# Altium PCB PCB1.PcbDoc
Units mil, origin at the board's own origin, x right, y up, seen from the top; angles counter-clockwise.
Board outline 3390 x 3785 mil, 4 copper layers (Top Layer, Internal Plane 1, Internal Plane 2, Bottom Layer); 45 components, 41 nets, 185 pads, 14 vias.
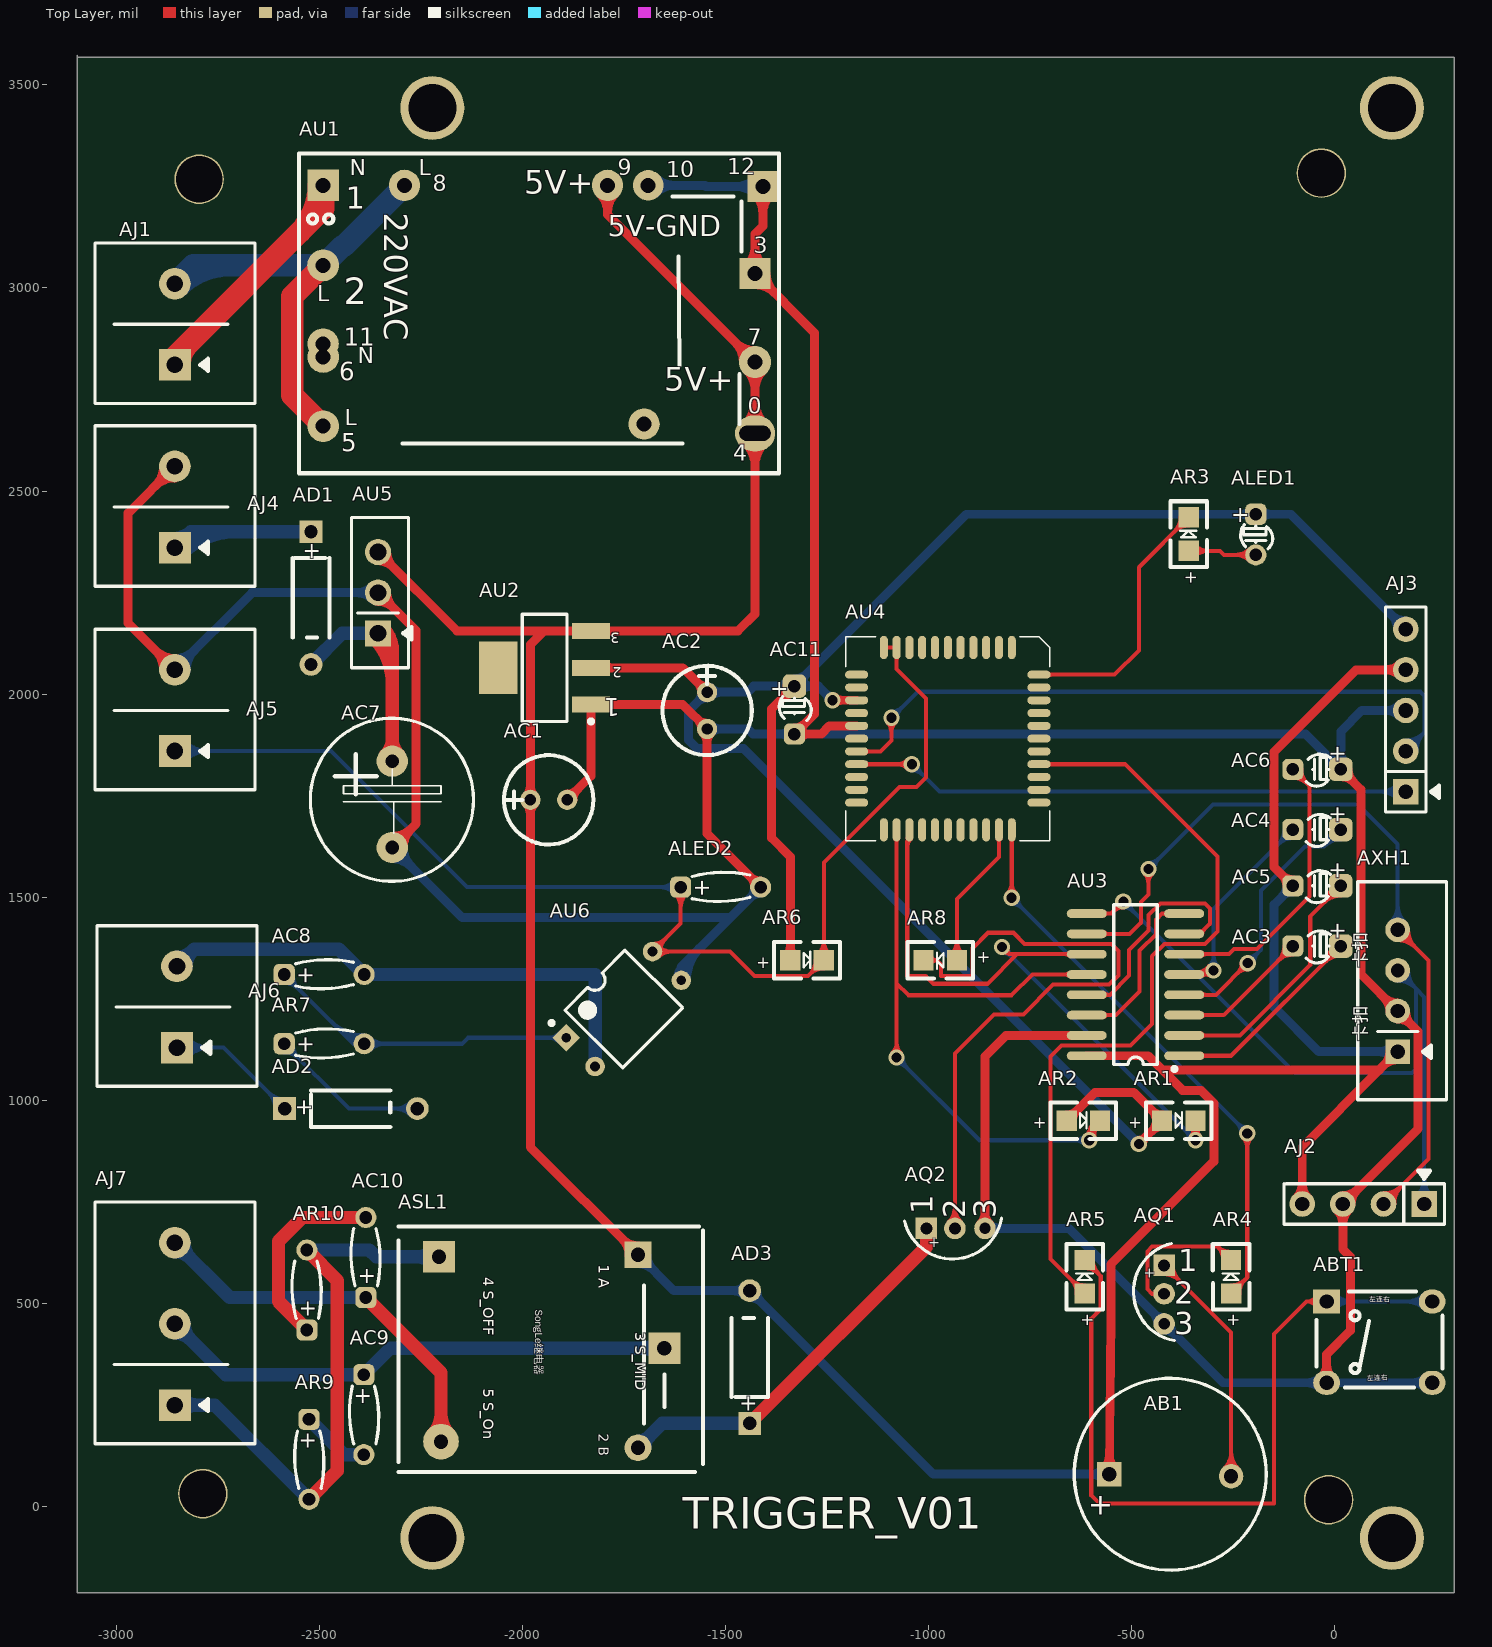
[diagram p0: Top Layer view]
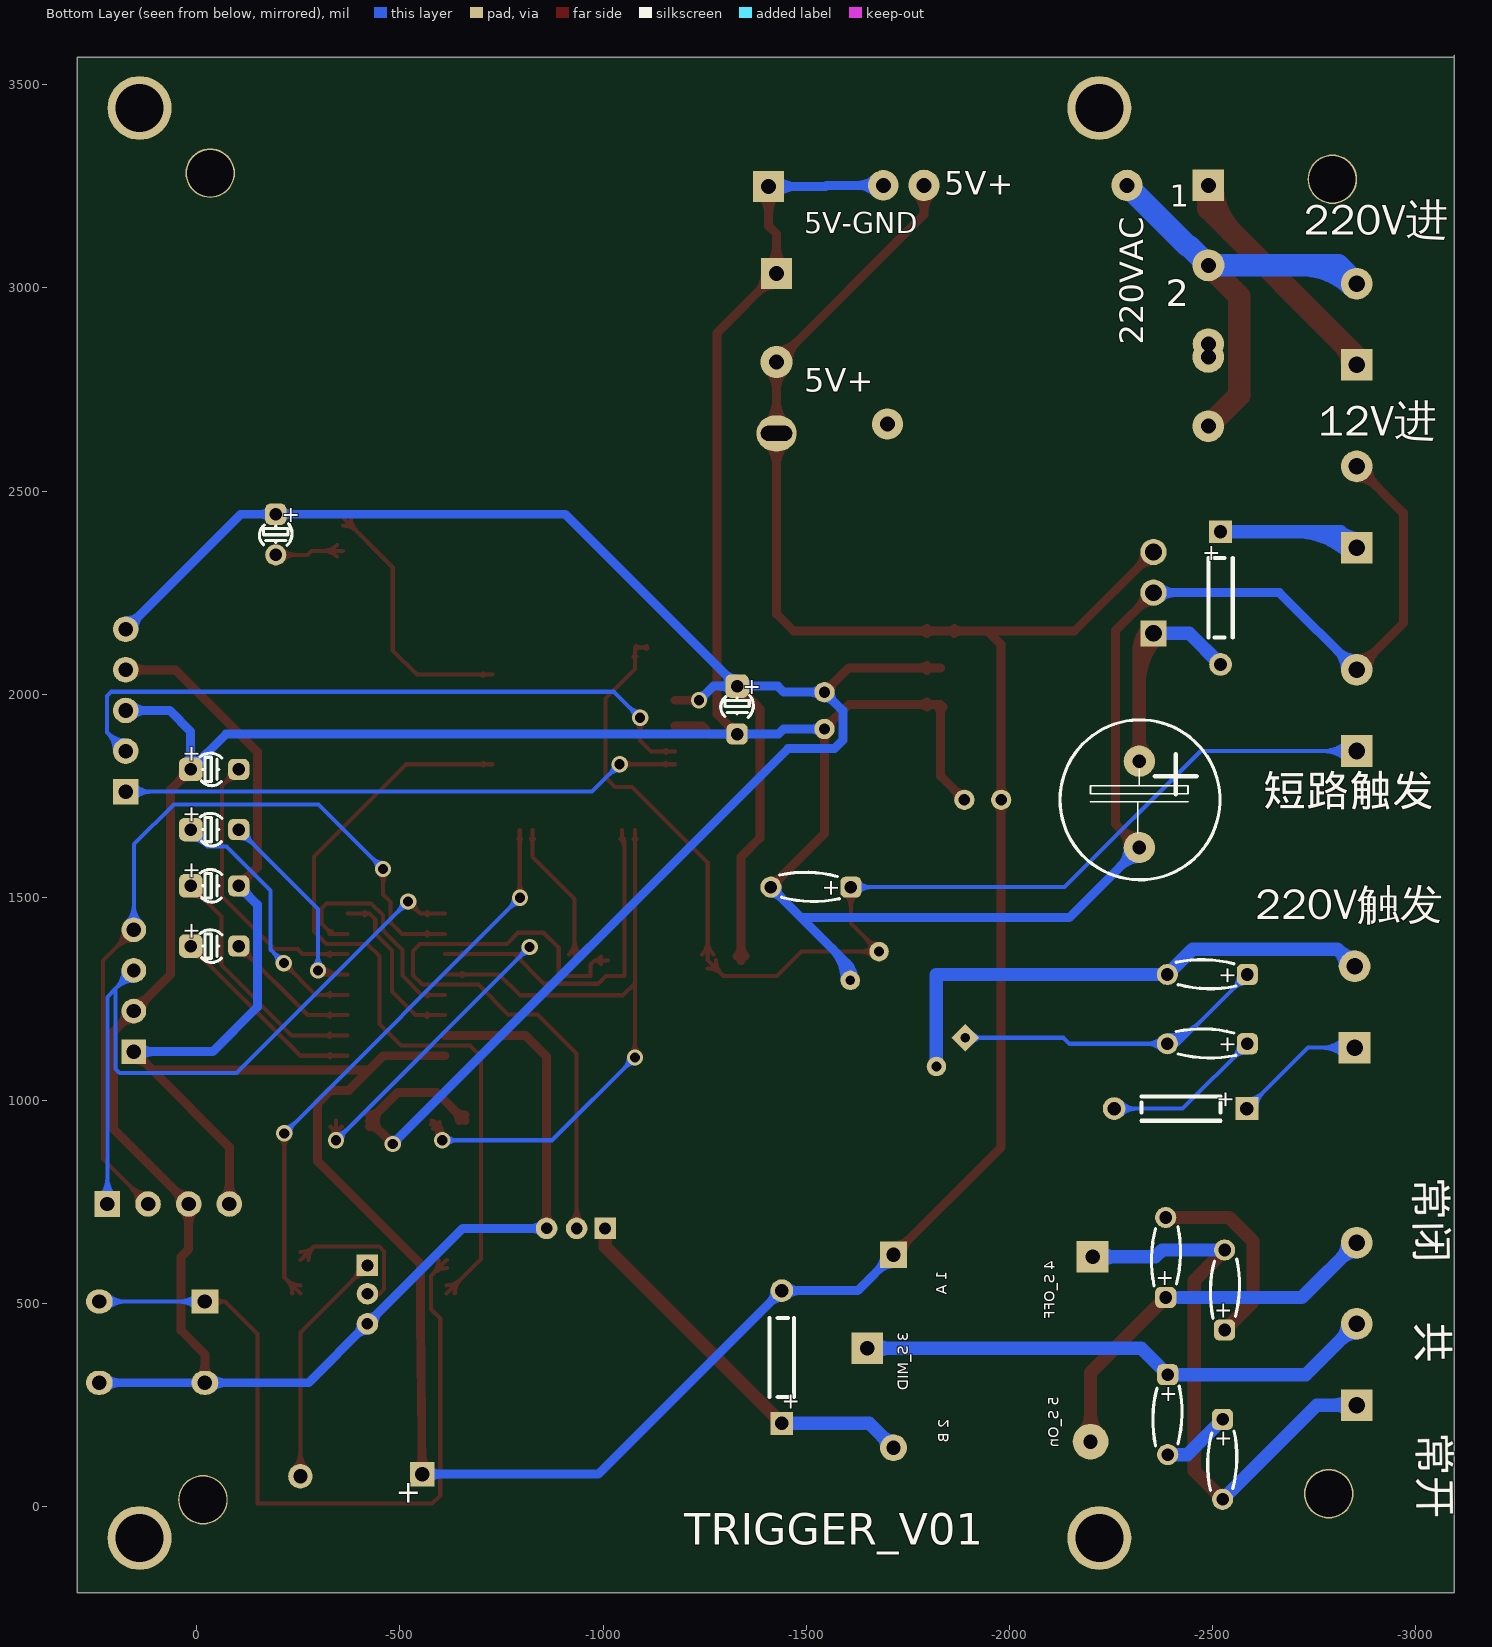
[diagram p1: Bottom Layer view, seen from below]
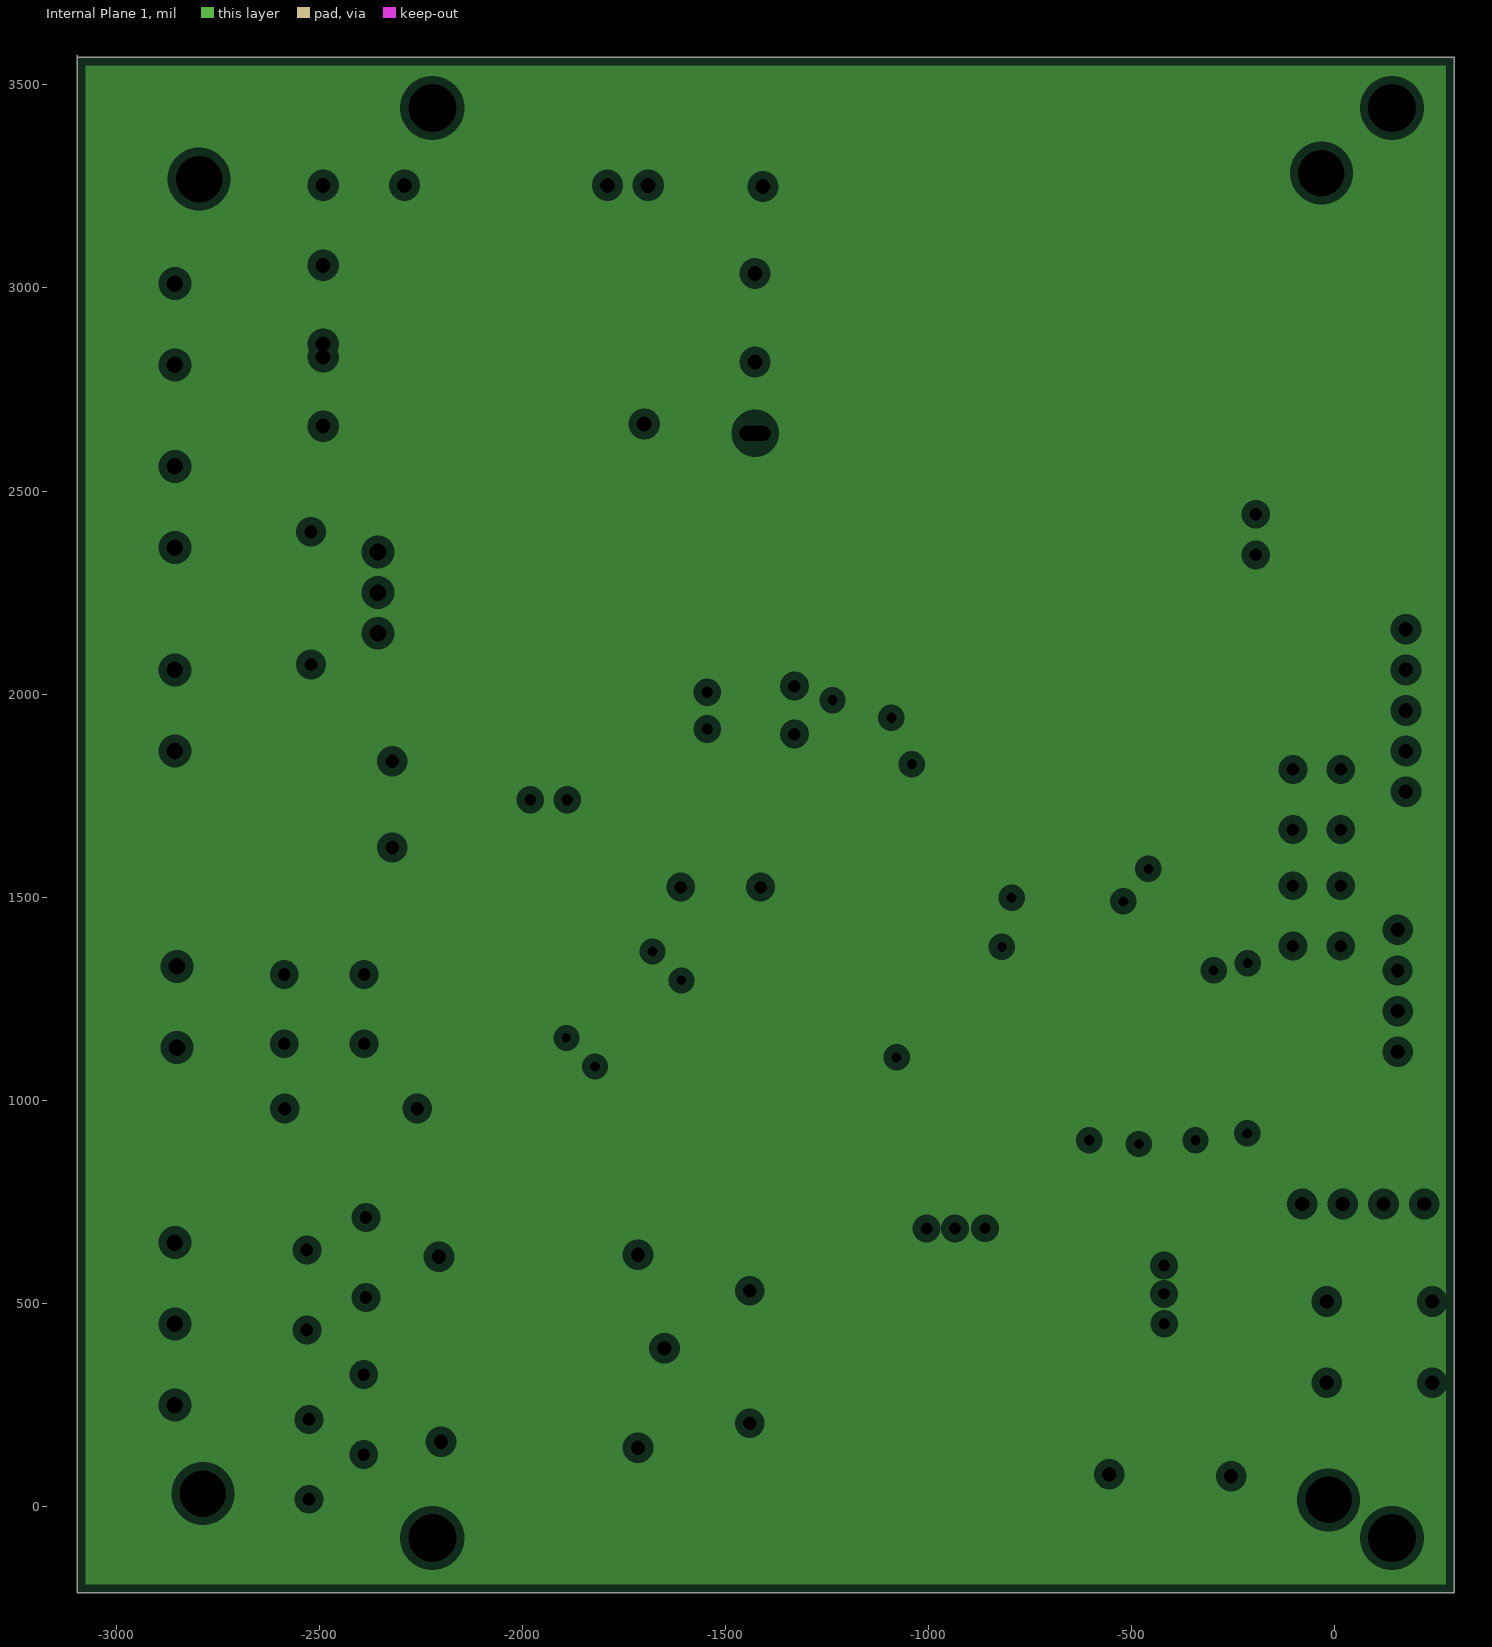
[diagram p2: Internal Plane 1, clearances drawn from the general rule]
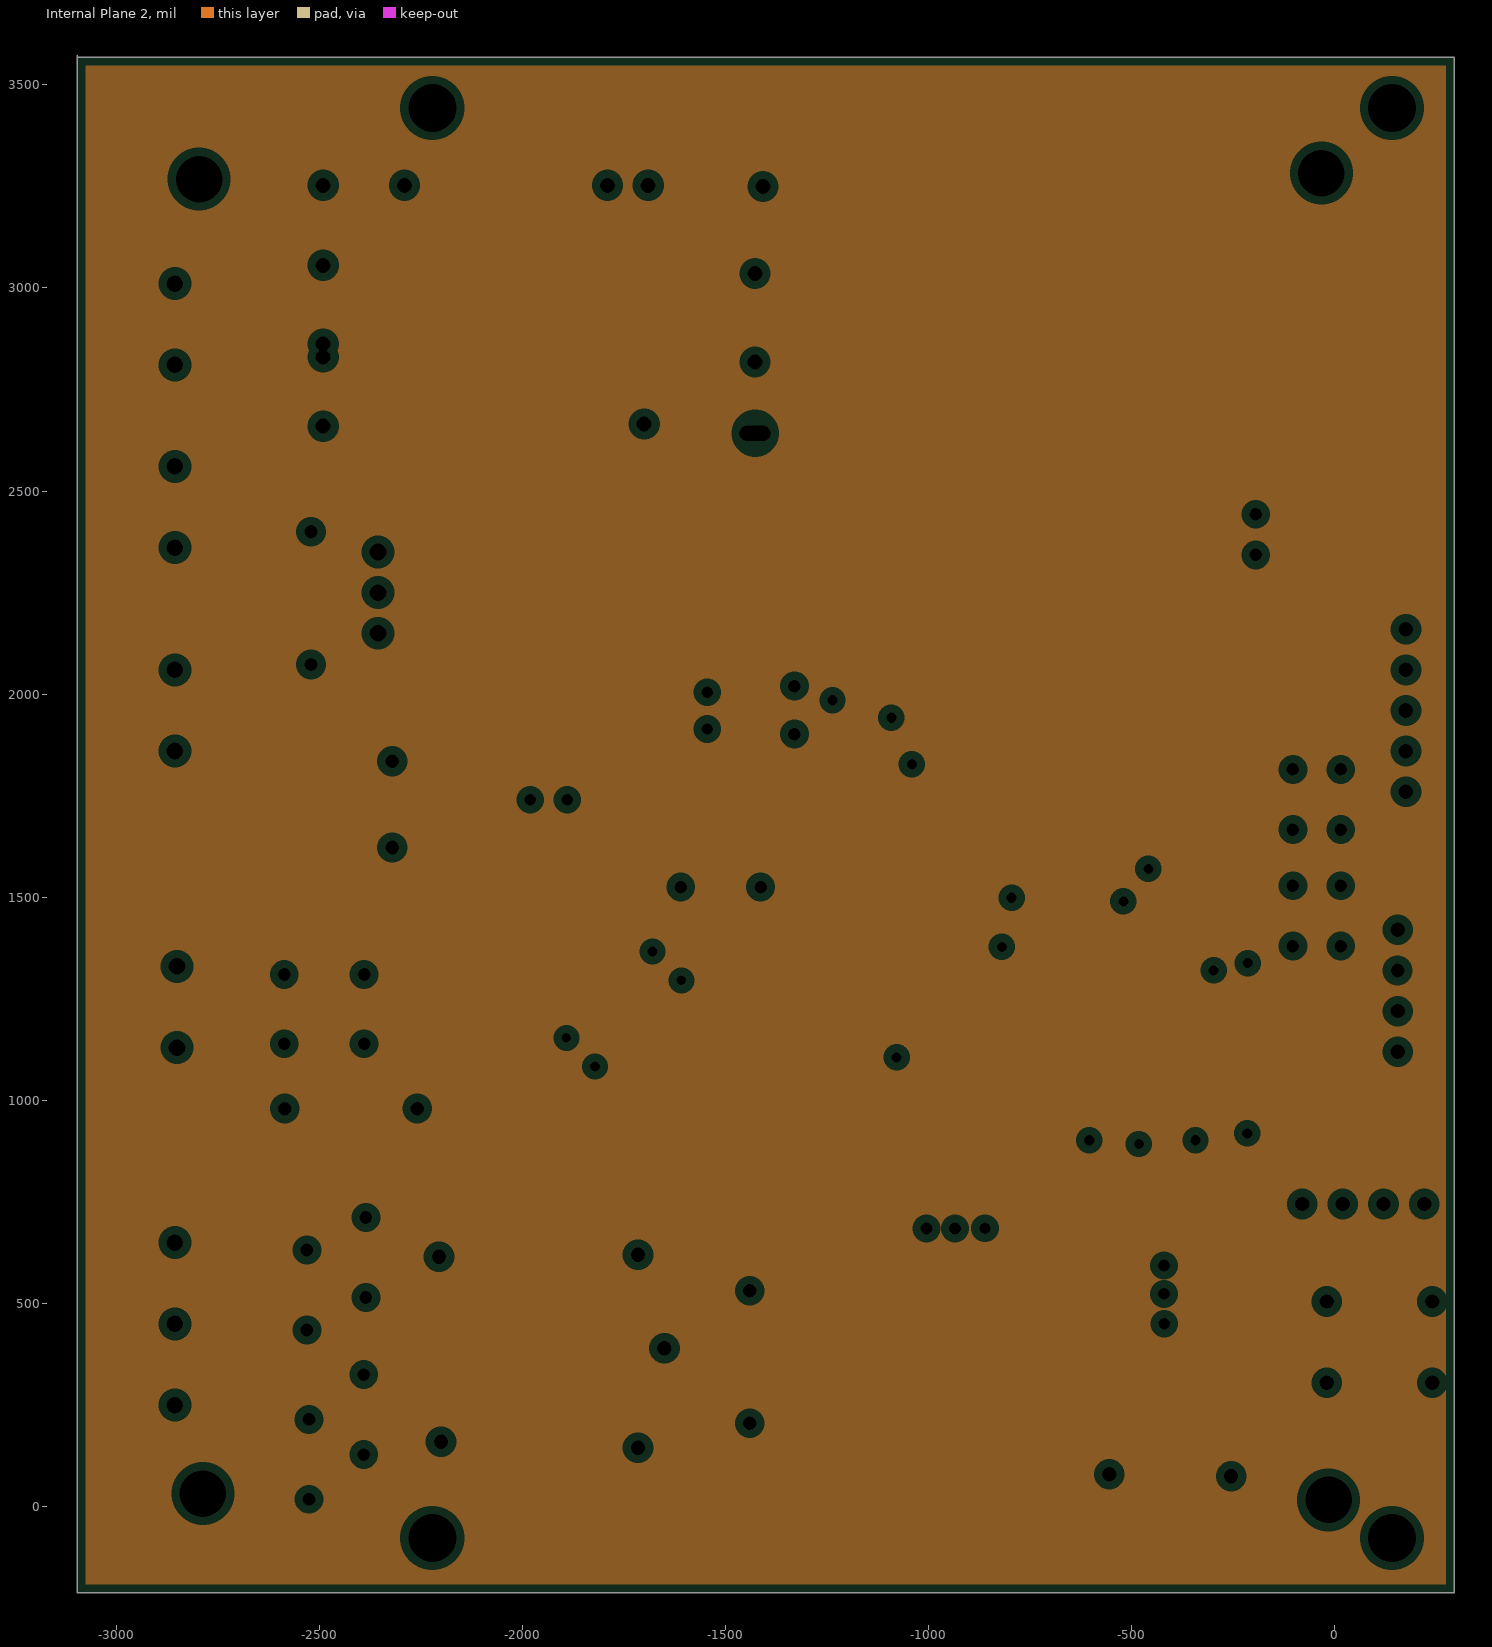
[diagram p3: Internal Plane 2, clearances drawn from the general rule]

## Layer stack, top to bottom
Top Layer: signal copper 1.4
Dielectric: dielectric 12.6, FR-4, Dk 4.8
Internal Plane 1: plane copper 1.4
Dielectric: dielectric 12.6, FR-4, Dk 4.8
Internal Plane 2: plane copper 1.4
Dielectric: dielectric 12.6, FR-4, Dk 4.8
Bottom Layer: signal copper 1.4

## Board outline
-3095.55,3567.99 294.45,3567.99 294.45,-212.01 -3095.55,-212.01 -3095.55,3572.99

## Design rules (kind name [scope] priority, off if disabled: settings)
Clearance [All] p1: gap=9
MinimumSolderMaskSliver [All] p1: minsoldermaskwidth=0
PlaneClearance [All] p1: clearance=20
PlaneConnect [All] p1: planeconnectstyle=Relief reliefexpansion=20 reliefentries=4 reliefconductorwidth=10 reliefairgap=10
PolygonConnect [All] p1: connectstyle=Relief reliefconductorwidth=10 reliefentries=4 polygonreliefangle="90 Angle"
RoutingVias [All] p1: holewidth=25 width=40 viastyle="Through Hole" minholewidth=28 minwidth=50 maxholewidth=28 maxwidth=50
SilkToSilkClearance [All] p1: silktosilkclearance=0
SilkscreenOverComponentPads [All] p1: minsilkscreentomaskgap=0
SolderMaskExpansion [All] p1: expansion=4
Width "Schematic Width Constraint_13" [InNet('NetAC10_2')] p1: maxlimit=55 minlimit=16 preferedwidth=33 minimp=50.000000 maximp=50.000000 favimp=50.000000
Width "Schematic Width Constraint_12" [InNet('NetAC9_2')] p2: maxlimit=55 minlimit=16 preferedwidth=33 minimp=50.000000 maximp=50.000000 favimp=50.000000
Width "Schematic Width Constraint_11" [InNet('NetAD3_A')] p3: maxlimit=55 minlimit=16 preferedwidth=33 minimp=50.000000 maximp=50.000000 favimp=50.000000
Width "Schematic Width Constraint_8" [InNet('NetAC10_1')] p4: maxlimit=55 minlimit=16 preferedwidth=33 minimp=50.000000 maximp=50.000000 favimp=50.000000
Width "Schematic Width Constraint_7" [InNet('NetAJ7_1')] p5: maxlimit=55 minlimit=16 preferedwidth=33 minimp=50.000000 maximp=50.000000 favimp=50.000000
Width "Schematic Width Constraint_6" [InNet('NetAC8_2')] p6: maxlimit=55 minlimit=16 preferedwidth=33 minimp=50.000000 maximp=50.000000 favimp=50.000000
Width "Schematic Width Constraint_5" [InNet('NetAC9_1')] p7: maxlimit=55 minlimit=16 preferedwidth=33 minimp=50.000000 maximp=50.000000 favimp=50.000000
Width "Schematic Width Constraint_4" [InNet('NetAC7_1')] p8: maxlimit=55 minlimit=16 preferedwidth=33 minimp=50.000000 maximp=50.000000 favimp=50.000000
Width "Schematic Width Constraint_3" [InNet('NetAD1_A')] p9: maxlimit=55 minlimit=16 preferedwidth=33 minimp=50.000000 maximp=50.000000 favimp=50.000000
Width "Schematic Width Constraint_10" [InNet('NetAJ1_1')] p10: maxlimit=77 minlimit=22 preferedwidth=55 minimp=50.000000 maximp=50.000000 favimp=50.000000
Width "Schematic Width Constraint_9" [InNet('NetAJ1_2')] p11: maxlimit=77 minlimit=22 preferedwidth=55 minimp=50.000000 maximp=50.000000 favimp=50.000000
Width "Schematic Width Constraint_2" [InNet('NetABT1_2')] p12: maxlimit=22 minlimit=16 preferedwidth=22 minimp=50.000000 maximp=50.000000 favimp=50.000000
Width "Schematic Width Constraint_1" [InNet('NetAB1_1')] p13: maxlimit=22 minlimit=16 preferedwidth=22 minimp=50.000000 maximp=50.000000 favimp=50.000000
Width "Schematic Width Constraint" [InNet('NetAC2_1')] p14: maxlimit=22 minlimit=16 preferedwidth=22 minimp=50.000000 maximp=50.000000 favimp=50.000000
Width [All] p15: maxlimit=10 minlimit=8 preferedwidth=10 minimp=50.000000 maximp=50.000000 favimp=50.000000
23 further rules are at their usual default settings.

## Components (designator, comment, footprint, x,y, rotation, side; value= is the part's Value field where it differs from the comment)
AB1 "beep" BEEP_1 -405,80 r0 top
ABT1 "BUTT" BUTT_01 -215,550 r0 top
AC1 "105" CAP_10uF -1940,1720 r0 top
AC2 "106" CAP_10uF -1565,1965 r270 top
AC3 "105" cd_3mm 15,1380 r270 top
AC4 "105" cd_3mm 15,1666.67 r270 top
AC5 "105" cd_3mm 15,1528.33 r270 top
AC6 "105" cd_3mm 15,1815 r270 top
AC7 "1000u" CD-L_10 -2320,1835 r0 top
AC8 "103" cd_5mm -2586,1310 r90 top
AC9 "103" cd_5mm -2390,325 r0 top
AC10 "103" cd_5mm -2385,515 r180 top
AC11 "103" cd_3mm -1330,2020 r0 top
AD1 "D" RESIST_1 -2520,2400 r0 top
AD2 "D" RESIST_1 -2585,980 r90 top
AD3 "D" RESIST_1 -1440,205 r180 top
AJ1 "220v power in" DUAN5_2P -2855,2810.71 r90 top
AJ2 "debug" JP4_1 220,745 r180 top
AJ3 "5脚" CONN_PRG3 175,1760 r90 top
AJ4 "HEADER 2" DUAN5_2P -2855,2360.71 r90 top
AJ5 "trigger" DUAN5_2P -2855,1860 r90 top
AJ6 "220v power in" DUAN5_2P -2850,1130 r90 top
AJ7 "duan3" DUAN5_3P -2855,250 r90 top
ALED1 "LED" LED_1 -194.29,2442.99 r0 top
ALED2 "LED" cd_5mm -1610,1525 r90 top
AQ1 "NPN" TO-92_new1 -420,593.95 r0 top
AQ2 "NPN" TO-92_new1 -1005,685 r90 top
AR1 "5K" LED0805 -425,950 r0 top
AR2 "5K" LED0805 -660,950 r0 top
AR3 "1K" LED0805 -359.29,2352.99 r90 top
AR4 "1K" LED0805 -255,525 r90 top
AR5 "330" LED0805 -615,525 r90 top
AR6 "10K" LED0805 -1340,1345 r0 top
AR7 "33K" cd_5mm -2586,1139.52 r90 top
AR8 "330" LED0805 -930,1345.2 r180 top
AR9 "1K" cd_5mm -2525,215 r0 top
AR10 "1K" cd_5mm -2530,435 r180 top
ASL1 "*" SONGLE_1 -1715,620 r270 top
AU1 "power unit" POW220_5V_700 -2490,2830 r0 top
AU2 "1117" SOT223_4N_1 -1945,2065 r180 top
AU3 "MAX3232EUE" SOP16 -490,1285 r180 top
AU4 "STC15W4K60S4_LQFP44" LQFP44 -795,2115 r270 top
AU5 "7805" TO220_1 -2355,2150 r90 top
AU6 "MOC" DIP4 -1750,1225 r45 top
AXH1 "screen" XH_P4 155,1120 r90 top

## Footprints (in the part's own frame and the unit in brackets; to place one, negate y for a bottom-side part, rotate by r counter-clockwise, add the part's x,y. Pads: shape width x height; smd on the part's side, far side on the other; paste and mask are expansions set on the pad)
BEEP_1 [mil]
  rect 60x60 hole 35: 1(-150,0)
  round 60 hole 35: 2(150,-5.12)
  silkscreen extent -236,-236 236,236
BUTT_01 [mil]
  rect 66x59.05 hole 35.43: 1(195,-45)
  oval 66x59.05 hole 35.43: 2(195,-245) 3(455,-45) 4(455,-245)
  silkscreen extent 170,-257 480,-20
CAP_10uF [mil]
  round 50 hole 28: 1(-40,20) 2(50.55,20)
  silkscreen extent -105,-90 115,130
CD-L_10 [mil]
  round 77 hole 34: 1(0,0) 2(0,-212.6)
  silkscreen extent -202,-296 200,106
cd_3mm [mil]
  rrect50% 58x58 hole 31: 1(0,0)
  rrect50% 52x52 hole 31: 2(0,-118.11)
  silkscreen extent -37,-85 42,-26
cd_5mm [mil]
  rrect50% 52x52 hole 31: 1(0,0)
  round 52 hole 31: 2(0,-196.85)
  silkscreen extent -35,-170 37,-29
CONN_PRG3 [mil]
  rect 63x63 hole 36: 1(0,0)
  round 63 hole 36: 2(100,0) 3(200,0) 4(300,0) 5(400,0)
  silkscreen extent -50,-82 455,50
DIP4 [mil] "¹"
  rect 48x48 hole 24: 1(-150,50)
  round 48 hole 24: 2(-150,-50) 3(150,-50) 4(150,50)
  silkscreen extent -155,-100 104,106
DUAN5_2P [mil]
  rect 78x78 hole 41: 1(0,0)
  round 78 hole 41: 2(200,0)
  silkscreen extent -95,-197 300,197
DUAN5_3P [mil]
  rect 78x78 hole 41: 1(0,0)
  round 78 hole 41: 2(200,0) 3(400,0)
  silkscreen extent -95,-197 500,197
JP4_1 [mil]
  rect 63x63 hole 35.43: 1(0,0)
  round 63 hole 35.43: 2(100,0) 3(200,0) 4(300,0)
  silkscreen extent -50,-82 345,50
LED0805 [mil]
  rect 50x50 smd: 1(0,0) 2(82.3,0.2)
  silkscreen extent -40,-45 122,45, body extent 2,-25 80,25, height 20
LED_1 [mil]
  rrect50% 52x52 hole 31: A(0,0)
  round 52 hole 31: K(0,-100)
  silkscreen extent -37,-85 42,-26
LQFP44 [mm]
  oval 1.45x0.5 smd: 1(0,0) 2(0,-0.8) 3(0,-1.6) 4(0,-2.4) 5(0,-3.2) 6(0,-4) 7(0,-4.8) 8(0,-5.6) 9(0,-6.4) 10(0,-7.2) 11(0,-8) 23(11.4,-8) 24(11.4,-7.2) 25(11.4,-6.4) 26(11.4,-5.6) 27(11.4,-4.8) 28(11.4,-4) 29(11.4,-3.2) 30(11.4,-2.4) 31(11.4,-1.6) 32(11.4,-0.8) 33(11.4,0)
  oval 0.5x1.45 smd: 12(1.7,-9.7) 13(2.5,-9.7) 14(3.3,-9.7) 15(4.1,-9.7) 16(4.9,-9.7) 17(5.7,-9.7) 18(6.5,-9.7) 19(7.3,-9.7) 20(8.1,-9.7) 21(8.9,-9.7) 22(9.7,-9.7) 34(9.7,1.7) 35(8.9,1.7) 36(8.1,1.7) 37(7.3,1.7) 38(6.5,1.7) 39(5.7,1.7) 40(4.9,1.7) 41(4.1,1.7) 42(3.3,1.7) 43(2.5,1.7) 44(1.7,1.7)
  silkscreen extent -0.67,-10.37 12.08,2.38
POW220_5V_700 [mil]
  round 77 hole 37: 0(790,-165) 8(200,422.6) 9(700,422.6) 11(0,32.24)
  rect 77x77 hole 37: 1(0,422.6) 3(1062.99,205.75) 12(1082.48,419.72)
  round 79 hole 37: 2(0,225.75) 7(1062.99,-12.44)
  oval 99x88 hole 37 slot 77 at 0 deg: 4(1062.99,-187.95)
  round 78 hole 37: 5(0,-170.08) 6(0,0)
  round 75 hole 37: 10(800,422.6)
  silkscreen extent -59,-286 1122,501
RESIST_1 [mil]
  rect 56x56 hole 33: 1(0,0)
  round 56 hole 33: 2(0,-326.77)
  silkscreen extent -45,-260 45,-65
SONGLE_1 [mil] "songle继电器1,SRD-5VD"
  rect 66x66 hole 35.43: 1(0,0)
  round 66 hole 35.43: 2(475,0)
  rect 78x78 hole 35.43: 3(230,65) 4(5,-490)
  round 88 hole 35.43: 5(460,-485)
  silkscreen extent -70,-590 535,160
SOP16 [mm] "SOP, 16-Leads, Body 9.90x3.90mm, Pitch 1.27mm, IPC Mediu"
  oval 2.5x0.55 smd: 1(-3.035,4.445) 2(-3.035,3.175) 3(-3.035,1.905) 4(-3.035,0.635) 5(-3.035,-0.635) 6(-3.035,-1.905) 7(-3.035,-3.175) 8(-3.035,-4.445) 9(3.06,-4.445) 10(3.06,-3.175) 11(3.06,-1.905) 12(3.06,-0.635) 13(3.06,0.635) 14(3.06,1.905) 15(3.06,3.175) 16(3.06,4.445)
  silkscreen extent -2.55,-5 1.37,5.39
SOT223_4N_1 [mm]
  rect 2.4x1 smd: 1(-2.9,2.3) 2(-2.9,0) 3(-2.9,-2.3)
  rect 2.4x3.3 smd: 4(2.9,0)
  silkscreen extent -3.03,-3.35 1.4,3.47, body extent -1.85,-3.35 1.85,3.35, height 1.8
TO220_1 [mil]
  rect 64x64 hole 41: 1(0,0)
  round 65 hole 41: 2(100,0) 3(200,0)
  silkscreen extent -85,-82 285,65
TO-92_new1 [mil]
  rect 53x53 hole 29: 1(0,0)
  round 53 hole 29: 2(0,-70)
  round 53 hole 28: 3(0,-144)
  silkscreen extent -75,-185 25,54
XH_P4 [mm]
  rect 1.55x1.55 hole 0.889: 1(0,0)
  round 1.55 hole 0.889: 2(2.54,0) 4(7.62,0)
  round 1.55 hole 0.864: 3(5.08,0)
  silkscreen extent -3,-3.05 10.62,2.5

## Part data
AB1: library part CON2, "Connec"
ABT1: library part HEADER
AC11: library part CD
AJ1 AJ5 AJ6 AXH1: library part C
AJ2: library part 4, "4 P"
AJ3: library part CON5
AQ1 AQ2: library part NPN_L1, "N"
ASL1: library part C, "Connector"
AU1: library part POW5_ALL, "电源模块-多引脚"
AU2: library part CON3, "Connec"
AU3: library part MAX32, "Maxim ±15kV ESD-Protected,Up to 1Mbps,3.3V,True RS-232 Transceivers,TSSOP16 Package,-40-85°C"
AU5: library part CON3
AU6: library part EL817, "EL817"

## Free pads (board coordinates)
  round 122 hole 115: 0(-2795.28,3267.72) 0(-2786.28,32) 0(-33,3282.72) 0(-15,17)
  round 157.48 hole 118.11: 0(-2221.5,-77.01) 0(-2221.5,3442.99) 0(140.71,-77.01) 0(140.71,3442.99)

## Via types
v1: diameter 40, hole 25, Top Layer to Bottom Layer, 14 vias
